# Altium PCB IPG.PcbDoc (part 3 of 10) (continued)
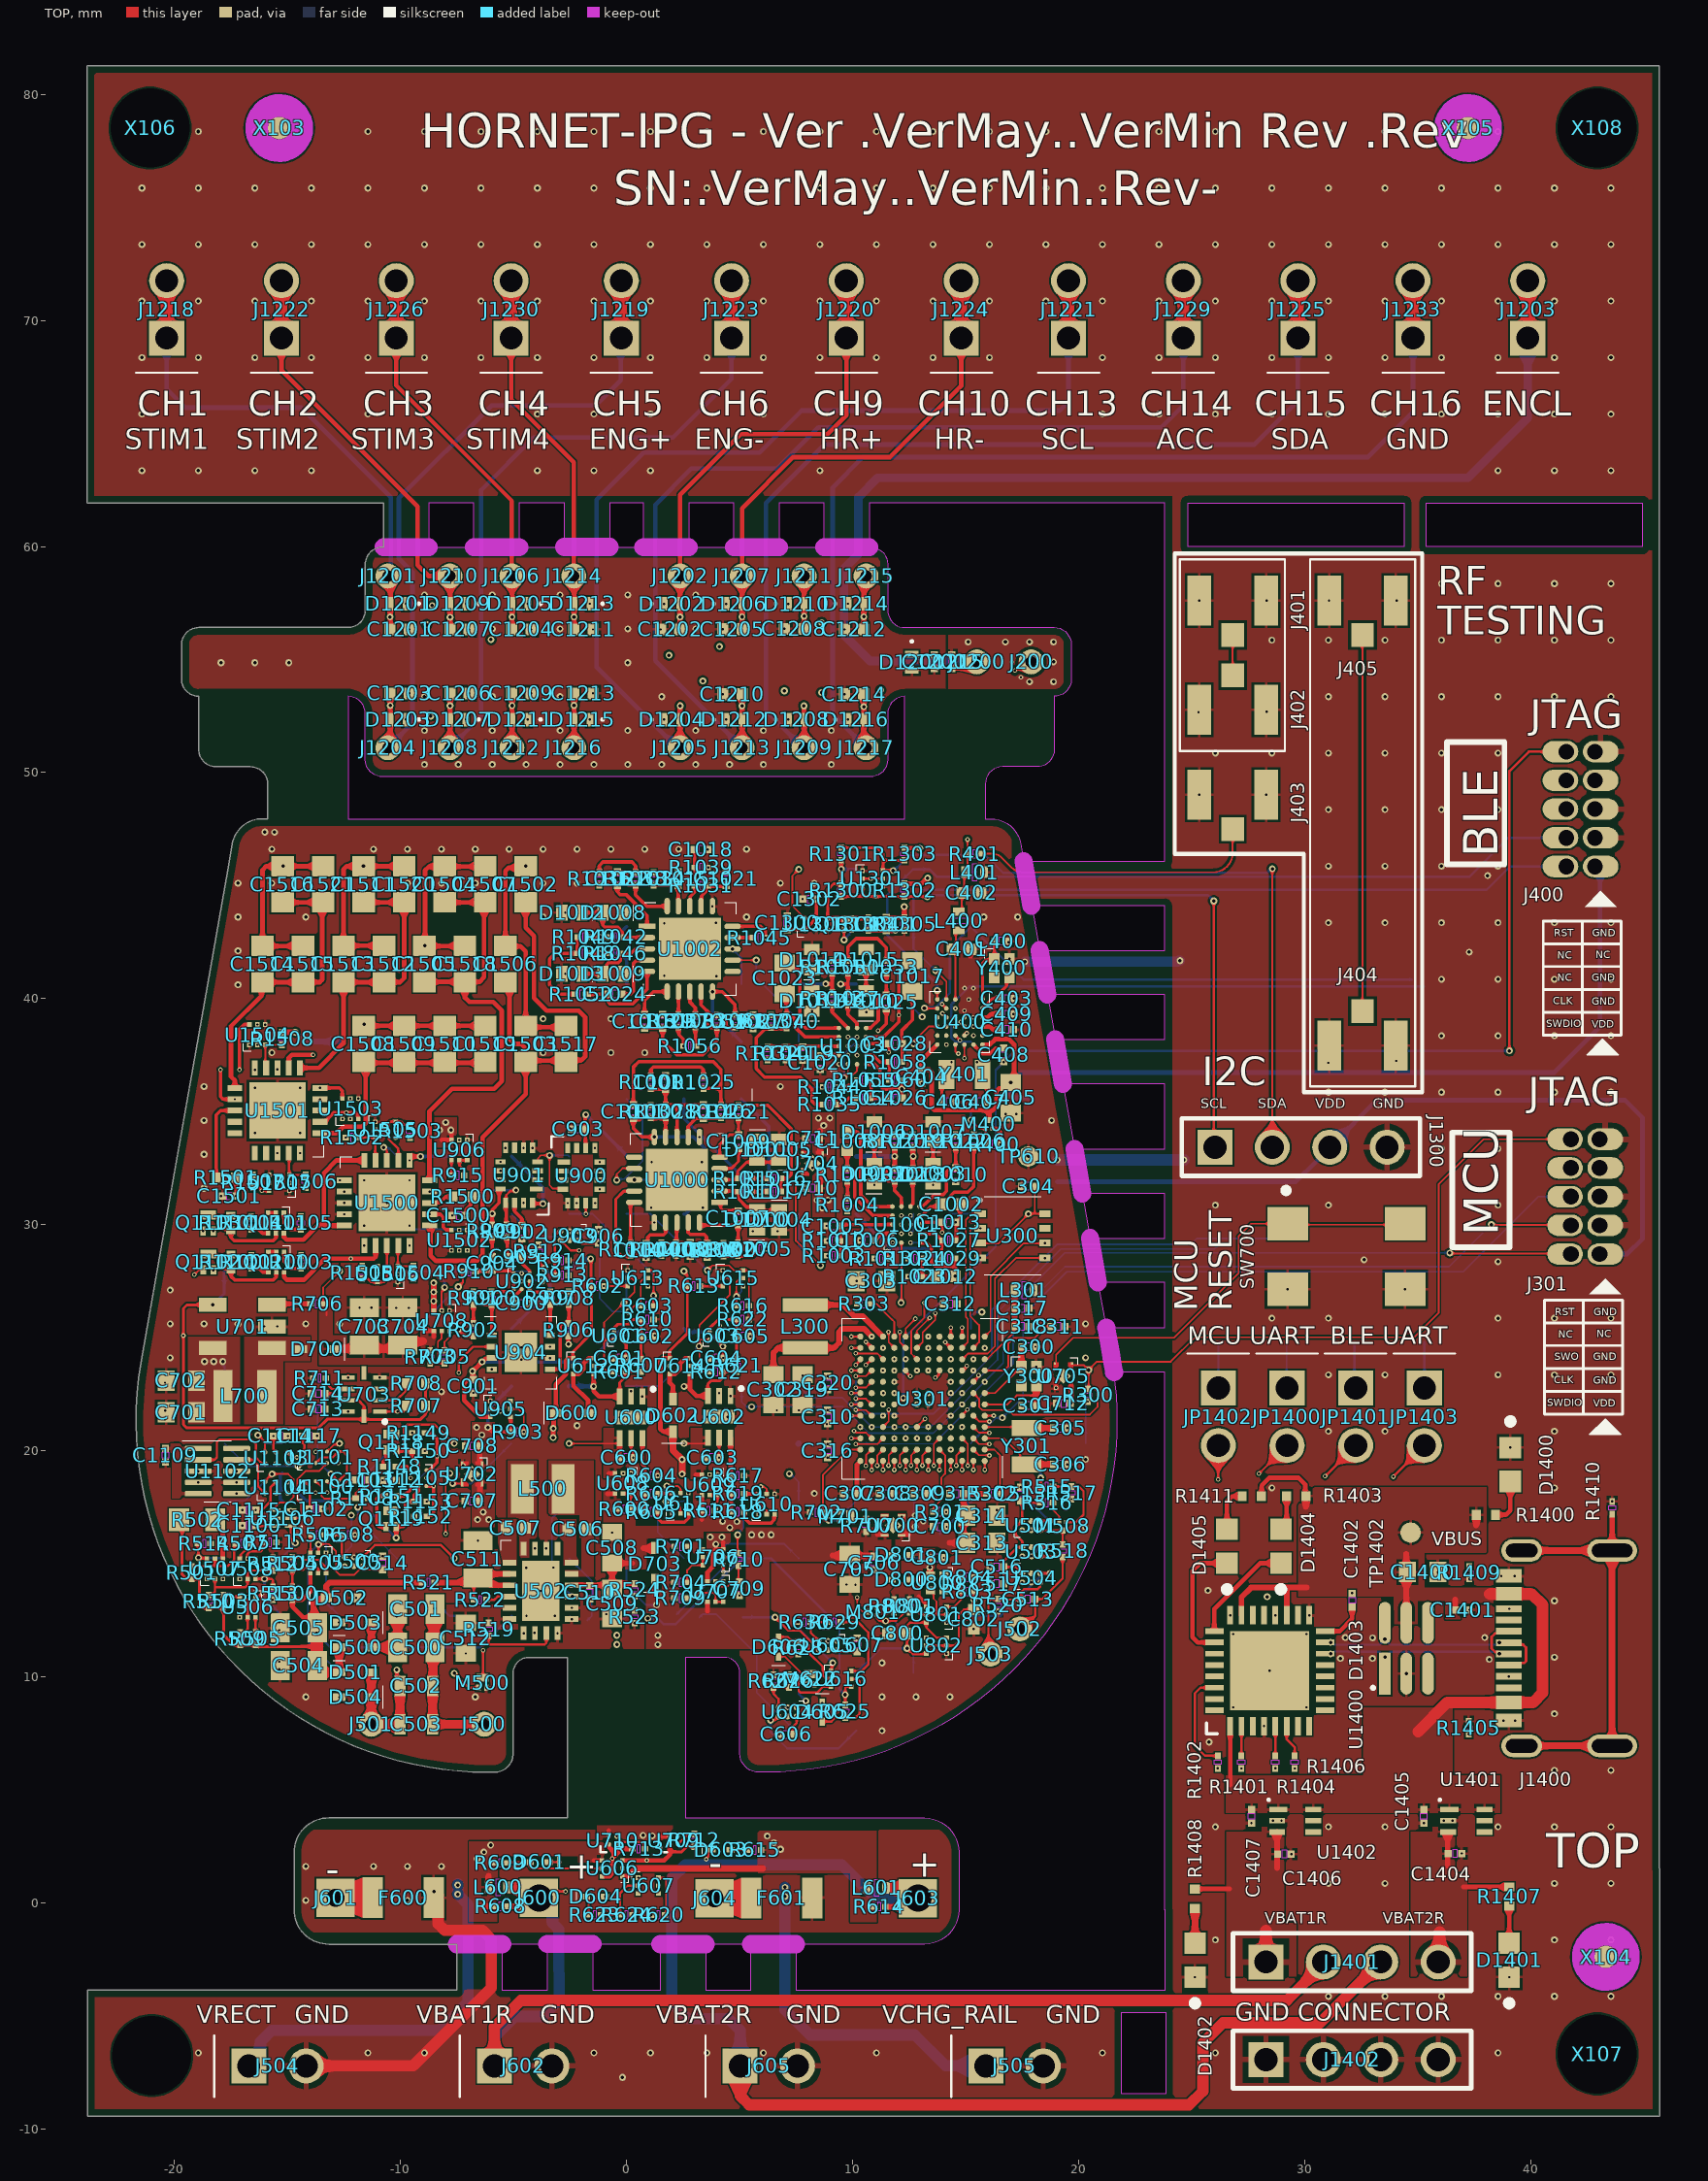
[diagram p0: TOP view]
## Part data (continued)
R800: "Fixed Resistor, Metal Glaze/thick Film, 0.05W, 4700000ohm, 30V, 1% +/-Tol, 200ppm/Cel, Surface Mount, 0201", Case/Package=0201, Manufacturer="Vishay Dale", Manufacturer Series=CRCW0201E3, Max Operating Temperature=155°C, Medical Grade MFR=TBD, Min Operating Temperature=-55°C, Package Shape=Rectangular, Power=50mW, Rated Temperature=70°C, Resistor Type="FIXED RESISTOR", Supplier Part Number=541-CRCW02015M10FNEDCT-ND, Supplier Part Number 1=541-CRCW02014M70FNEDCT-ND, Temperature Coefficient=200ppm/°C, Tolerance=1%, Working Voltage=30V, Category="Chip SMD Resistors", ComponentLink1Description=https://datasheet.ciiva.com:443/pdfs/VipMasterIC/IC/VISH/VISH-S-A0002932828/VISH-S-A0002932828-1.pdf?src-supplier=IHS+Markit, ComponentLink1URL=https://datasheet.ciiva.com:443/pdfs/VipMasterIC/IC/VISH/VISH-S-A0002932828/VISH-S-A0002932828-1.pdf?src-supplier=IHS+Markit, ComponentLink2Description=https://datasheet.ciiva.com/7843/1719906-7843192.pdf?src-supplier=Element14, ComponentLink2URL=https://datasheet.ciiva.com/7843/1719906-7843192.pdf?src-supplier=Element14, ComponentLink3Description=https://datasheet.ciiva.com/7843/1719906-7843193.pdf?src-supplier=Element14, ComponentLink3URL=https://datasheet.ciiva.com/7843/1719906-7843193.pdf?src-supplier=Element14, ComponentLink4Description=https://datasheet.ciiva.com/6073/1719906-6073775.pdf?src-supplier=Farnell, ComponentLink4URL=https://datasheet.ciiva.com/6073/1719906-6073775.pdf?src-supplier=Farnell, JESD-609 Code=e3, Manufacturer Part Number=CRCW02014M70FNED, Medical Grade MFR PN=TBD, Mounting Technology="Surface Mount", Packaging="Tape and Reel", Pins=2, Pricing="1=0,1, 10=0,037, 50=0,0242, 100=0,0204, 500=0,01426, 1000=0,01241, 5000=0,00924 (USD)", Reach SVHC Compliant=Yes, RoHS=Yes, RoHS Compliant=Yes, Stock=56300, Supplier=Digikey, Supplier 1=Digikey, Technology="METAL GLAZE/THICK FILM", Terminal Finish=Nickel, Termination=Wraparound
R900 R907: "Fixed Resistor, Metal Glaze/thick Film, 0.05W, 8200ohm, 30V, 1% +/-Tol, 200ppm/Cel, Surface Mount, 0201", Case/Package=0201, Manufacturer=Vishay, Max Operating Temperature=155°C, Medical Grade MFR=TBD, Min Operating Temperature=-55°C, Package Height=0.23mm, Package Length=0.6mm, Package Shape=Rectangular, Package Style=SMTMeter, Package Width=0.3mm, Power=50mW, Rated Temperature=70°C, Resistor Type="FIXED RESISTOR", Supplier Part Number 1=541-CRCW02018K20FNEDCT-ND, Temperature Coefficient=200ppm/°C, Tolerance=1%, Working Voltage=30V, Category="Chip SMD Resistors", ComponentLink1Description=https://datasheet.ciiva.com:443/pdfs/VipMasterIC/IC/VISH/VISH-S-A0002932828/VISH-S-A0002932828-1.pdf?src-supplier=IHS+Markit, ComponentLink1URL=https://datasheet.ciiva.com:443/pdfs/VipMasterIC/IC/VISH/VISH-S-A0002932828/VISH-S-A0002932828-1.pdf?src-supplier=IHS+Markit, ComponentLink2Description=https://datasheet.ciiva.com/7983/1719906-7983324.pdf?src-supplier=Element14, ComponentLink2URL=https://datasheet.ciiva.com/7983/1719906-7983324.pdf?src-supplier=Element14, ComponentLink3Description=https://datasheet.ciiva.com/7983/1719906-7983323.pdf?src-supplier=Element14, ComponentLink3URL=https://datasheet.ciiva.com/7983/1719906-7983323.pdf?src-supplier=Element14, ComponentLink4Description=https://datasheet.ciiva.com/22692/1719906-22692751.pdf?src-supplier=Element14, ComponentLink4URL=https://datasheet.ciiva.com/22692/1719906-22692751.pdf?src-supplier=Element14, ComponentLink5Description=https://datasheet.ciiva.com/22665/1825492-22665818.pdf?src-supplier=Element14, ComponentLink5URL=https://datasheet.ciiva.com/22665/1825492-22665818.pdf?src-supplier=Element14, ComponentLink6Description=https://datasheet.ciiva.com/2474/crcw0201e3-2474801.pdf?src-supplier=Digikey, ComponentLink6URL=https://datasheet.ciiva.com/2474/crcw0201e3-2474801.pdf?src-supplier=Digikey, ComponentLink7Description=https://datasheet.ciiva.com/2474/crcw0201e3-2474802.pdf?src-supplier=Digikey, ComponentLink7URL=https://datasheet.ciiva.com/2474/crcw0201e3-2474802.pdf?src-supplier=Digikey, ComponentLink8Description=https://datasheet.ciiva.com/2474/crcw0201e3-2474800.pdf?src-supplier=Digikey, ComponentLink8URL=https://datasheet.ciiva.com/2474/crcw0201e3-2474800.pdf?src-supplier=Digikey, ComponentLink9Description=https://datasheet.ciiva.com/22871/70202042-22871422.pdf?src-supplier=Allied+Electronics, ComponentLink9URL=https://datasheet.ciiva.com/22871/70202042-22871422.pdf?src-supplier=Allied+Electronics, ComponentLink10Description=https://datasheet.ciiva.com/3255/crcw0201e3-3255929.pdf?src-supplier=Avnet, ComponentLink10URL=https://datasheet.ciiva.com/3255/crcw0201e3-3255929.pdf?src-supplier=Avnet, Construction=Chip, Manufacturer Part Number=CRCW02018K20FNED, Medical Grade MFR PN=TBD, Mounting Technology="Surface Mount", Pins=2, Reach SVHC Compliant=Yes, Reference Standard=AEC-Q200, RoHS=Yes, RoHS Compliant=Yes, Supplier 1=Digikey, Technology="METAL GLAZE/THICK FILM", Terminal Finish=Nickel, Termination=Wraparound
R901 R908: "Fixed Resistor, Metal Glaze/thick Film, 0.05W, 59000ohm, 30V, 1% +/-Tol, 200ppm/Cel, Surface Mount, 0201", Case/Package=0201, Manufacturer=Vishay, Max Operating Temperature=155°C, Medical Grade MFR=TBD, Min Operating Temperature=-55°C, Package Height=0.23mm, Package Length=0.6mm, Package Shape=Rectangular, Package Style=SMTMeter, Package Width=0.3mm, Power=50mW, Rated Temperature=70°C, Resistor Type="FIXED RESISTOR", Supplier Part Number 1=541-CRCW020159K0FNEDCT-ND, Temperature Coefficient=200ppm/°C, Tolerance=1%, Working Voltage=30V, Category="Chip SMD Resistors", ComponentLink1Description=https://datasheet.ciiva.com:443/pdfs/VipMasterIC/IC/VISH/VISH-S-A0002932828/VISH-S-A0002932828-1.pdf?src-supplier=IHS+Markit, ComponentLink1URL=https://datasheet.ciiva.com:443/pdfs/VipMasterIC/IC/VISH/VISH-S-A0002932828/VISH-S-A0002932828-1.pdf?src-supplier=IHS+Markit, ComponentLink2Description=https://datasheet.ciiva.com/7983/1719906-7983324.pdf?src-supplier=Element14, ComponentLink2URL=https://datasheet.ciiva.com/7983/1719906-7983324.pdf?src-supplier=Element14, ComponentLink3Description=https://datasheet.ciiva.com/7983/1719906-7983323.pdf?src-supplier=Element14, ComponentLink3URL=https://datasheet.ciiva.com/7983/1719906-7983323.pdf?src-supplier=Element14, ComponentLink4Description=https://datasheet.ciiva.com/22692/1719906-22692751.pdf?src-supplier=Element14, ComponentLink4URL=https://datasheet.ciiva.com/22692/1719906-22692751.pdf?src-supplier=Element14, ComponentLink5Description=https://datasheet.ciiva.com/22665/1825492-22665818.pdf?src-supplier=Element14, ComponentLink5URL=https://datasheet.ciiva.com/22665/1825492-22665818.pdf?src-supplier=Element14, ComponentLink6Description=https://datasheet.ciiva.com/2474/crcw0201e3-2474801.pdf?src-supplier=Digikey, ComponentLink6URL=https://datasheet.ciiva.com/2474/crcw0201e3-2474801.pdf?src-supplier=Digikey, ComponentLink7Description=https://datasheet.ciiva.com/2474/crcw0201e3-2474802.pdf?src-supplier=Digikey, ComponentLink7URL=https://datasheet.ciiva.com/2474/crcw0201e3-2474802.pdf?src-supplier=Digikey, ComponentLink8Description=https://datasheet.ciiva.com/2474/crcw0201e3-2474800.pdf?src-supplier=Digikey, ComponentLink8URL=https://datasheet.ciiva.com/2474/crcw0201e3-2474800.pdf?src-supplier=Digikey, ComponentLink9Description=https://datasheet.ciiva.com/22871/70202042-22871422.pdf?src-supplier=Allied+Electronics, ComponentLink9URL=https://datasheet.ciiva.com/22871/70202042-22871422.pdf?src-supplier=Allied+Electronics, ComponentLink10Description=https://datasheet.ciiva.com/3255/crcw0201e3-3255929.pdf?src-supplier=Avnet, ComponentLink10URL=https://datasheet.ciiva.com/3255/crcw0201e3-3255929.pdf?src-supplier=Avnet, Construction=Chip, Manufacturer Part Number=CRCW020159K0FNED, Medical Grade MFR PN=TBD, Mounting Technology="Surface Mount", Pins=2, Reach SVHC Compliant=Yes, Reference Standard=AEC-Q200, RoHS=Yes, RoHS Compliant=Yes, Supplier 1=Digikey, Technology="METAL GLAZE/THICK FILM", Terminal Finish=Nickel, Termination=Wraparound
R910 R912: "Fixed Resistor, Metal Glaze/thick Film, 0.05W, 200000ohm, 30V, 1% +/-Tol, 200ppm/Cel, Surface Mount, 0201", Case/Package=0201, Manufacturer=Vishay, Max Operating Temperature=155°C, Medical Grade MFR=TBD, Min Operating Temperature=-55°C, Package Height=0.23mm, Package Length=0.6mm, Package Shape=Rectangular, Package Style=SMTMeter, Package Width=0.3mm, Power=50mW, Rated Temperature=70°C, Resistor Type="FIXED RESISTOR", Supplier Part Number=541-2945-1-ND, Temperature Coefficient=200ppm/°C, Tolerance=1%, Working Voltage=30V, Category="Chip SMD Resistors", ComponentLink1Description=https://datasheet.ciiva.com:443/pdfs/VipMasterIC/IC/VISH/VISH-S-A0002932828/VISH-S-A0002932828-1.pdf?src-supplier=IHS+Markit, ComponentLink1URL=https://datasheet.ciiva.com:443/pdfs/VipMasterIC/IC/VISH/VISH-S-A0002932828/VISH-S-A0002932828-1.pdf?src-supplier=IHS+Markit, ComponentLink2Description=https://datasheet.ciiva.com/7714/1719906-7714137.pdf?src-supplier=Element14, ComponentLink2URL=https://datasheet.ciiva.com/7714/1719906-7714137.pdf?src-supplier=Element14, ComponentLink3Description=https://datasheet.ciiva.com/7714/1719906-7714138.pdf?src-supplier=Element14, ComponentLink3URL=https://datasheet.ciiva.com/7714/1719906-7714138.pdf?src-supplier=Element14, ComponentLink4Description=https://datasheet.ciiva.com/2577/crcw0201e3-2577332.pdf?src-supplier=Digikey, ComponentLink4URL=https://datasheet.ciiva.com/2577/crcw0201e3-2577332.pdf?src-supplier=Digikey, ComponentLink5Description=https://datasheet.ciiva.com/8961/crcw0201e3-8961381.pdf?src-supplier=Avnet, ComponentLink5URL=https://datasheet.ciiva.com/8961/crcw0201e3-8961381.pdf?src-supplier=Avnet, ComponentLink6Description=https://datasheet.ciiva.com/22675/1700795-22675066.pdf?src-supplier=Element14, ComponentLink6URL=https://datasheet.ciiva.com/22675/1700795-22675066.pdf?src-supplier=Element14, ComponentLink7Description=https://datasheet.ciiva.com/22692/1719906-22692766.pdf?src-supplier=Element14, ComponentLink7URL=https://datasheet.ciiva.com/22692/1719906-22692766.pdf?src-supplier=Element14, Construction=Chip, JESD-609 Code=e3, Manufacturer Part Number=CRCW0201200KFNED, Medical Grade MFR PN=TBD, Mounting Technology="Surface Mount", Packaging="Tape and Reel", Pins=2, Pricing="1=0,1, 10=0,037, 50=0,0242, 100=0,0204, 500=0,01426, 1000=0,01241, 5000=0,00924 (USD)", Reach SVHC Compliant=Yes, Reference Standard=AEC-Q200, RoHS=Yes, RoHS Compliant=Yes, Stock=43796, Supplier=Digikey, Supplier 1=Digikey, Supplier Part Number 1=541-2945-1-ND, Technology="METAL GLAZE/THICK FILM", Terminal Finish=Nickel, Termination=Wraparound
R913: "Fixed Resistor, Metal Glaze/thick Film, 0.05W, 120000ohm, 30V, 1% +/-Tol, 200ppm/Cel, Surface Mount, 0201", Case/Package=0201, Manufacturer="Vishay Dale", Max Operating Temperature=155°C, Medical Grade MFR=TBD, Min Operating Temperature=-55°C, Package Shape=Rectangular, Power=50mW, Rated Temperature=70°C, Resistor Type="FIXED RESISTOR", Supplier Part Number 1=541-CRCW0201120KFNEDDKR-ND, Temperature Coefficient=200ppm/°C, Tolerance=1%, Working Voltage=30V, Category="Chip SMD Resistors", ComponentLink1Description=https://datasheet.ciiva.com:443/pdfs/VipMasterIC/IC/VISH/VISH-S-A0002932828/VISH-S-A0002932828-1.pdf?src-supplier=IHS+Markit, ComponentLink1URL=https://datasheet.ciiva.com:443/pdfs/VipMasterIC/IC/VISH/VISH-S-A0002932828/VISH-S-A0002932828-1.pdf?src-supplier=IHS+Markit, ComponentLink2Description=https://datasheet.ciiva.com/7800/1719906-7800943.pdf?src-supplier=Element14, ComponentLink2URL=https://datasheet.ciiva.com/7800/1719906-7800943.pdf?src-supplier=Element14, ComponentLink3Description=https://datasheet.ciiva.com/22682/1700795-22682622.pdf?src-supplier=Element14, ComponentLink3URL=https://datasheet.ciiva.com/22682/1700795-22682622.pdf?src-supplier=Element14, ComponentLink4Description=https://datasheet.ciiva.com/22702/1719906-22702669.pdf?src-supplier=Element14, ComponentLink4URL=https://datasheet.ciiva.com/22702/1719906-22702669.pdf?src-supplier=Element14, ComponentLink5Description=https://datasheet.ciiva.com/29926/crcw0201e3-29926006.pdf?src-supplier=Avnet, ComponentLink5URL=https://datasheet.ciiva.com/29926/crcw0201e3-29926006.pdf?src-supplier=Avnet, Manufacturer Part Number=CRCW0201120KFNED, Medical Grade MFR PN=TBD, Mounting Technology="Surface Mount", Pins=2, Reach SVHC Compliant=Yes, RoHS=Yes, RoHS Compliant=Yes, Supplier 1=Digikey, Technology="METAL GLAZE/THICK FILM", Terminal Finish=Nickel, Termination=Wraparound
R1001 R1026 R1033 R1057: "Fixed Resistor, Metal Glaze/thick Film, 0.05W, 150000ohm, 30V, 1% +/-Tol, 200ppm/Cel, Surface Mount, 0201", Case/Package=0201, Manufacturer=Vishay, Max Operating Temperature=155°C, Medical Grade MFR=Mini-Systems, Medical Grade MFR PN=MWA96SM-1503F-NS62TR, Min Operating Temperature=-55°C, Package Height=0.23mm, Package Length=0.6mm, Package Shape=Rectangular, Package Style=SMTMeter, Package Width=0.3mm, Power=50mW, Rated Temperature=70°C, Resistor Type="FIXED RESISTOR", Supplier Part Number=541-CRCW0201150KFNEDCT-ND, Supplier Part Number 1=541-CRCW0201150KFNEDDKR-ND, Temperature Coefficient=200ppm/°C, Tolerance=1%, Working Voltage=30V, Category="Chip SMD Resistors", ComponentLink1Description=https://datasheet.ciiva.com:443/pdfs/VipMasterIC/IC/VISH/VISH-S-A0002932828/VISH-S-A0002932828-1.pdf?src-supplier=IHS+Markit, ComponentLink1URL=https://datasheet.ciiva.com:443/pdfs/VipMasterIC/IC/VISH/VISH-S-A0002932828/VISH-S-A0002932828-1.pdf?src-supplier=IHS+Markit, ComponentLink2Description=https://datasheet.ciiva.com/7673/1719906-7673181.pdf?src-supplier=Element14, ComponentLink2URL=https://datasheet.ciiva.com/7673/1719906-7673181.pdf?src-supplier=Element14, ComponentLink3Description=https://datasheet.ciiva.com/7673/1719906-7673182.pdf?src-supplier=Element14, ComponentLink3URL=https://datasheet.ciiva.com/7673/1719906-7673182.pdf?src-supplier=Element14, ComponentLink4Description=https://datasheet.ciiva.com/2577/crcw0201e3-2577323.pdf?src-supplier=Digikey, ComponentLink4URL=https://datasheet.ciiva.com/2577/crcw0201e3-2577323.pdf?src-supplier=Digikey, ComponentLink5Description=https://datasheet.ciiva.com/8968/crcw0201e3-8968685.pdf?src-supplier=Avnet, ComponentLink5URL=https://datasheet.ciiva.com/8968/crcw0201e3-8968685.pdf?src-supplier=Avnet, ComponentLink6Description=https://datasheet.ciiva.com/22692/1719906-22692733.pdf?src-supplier=Element14, ComponentLink6URL=https://datasheet.ciiva.com/22692/1719906-22692733.pdf?src-supplier=Element14, Construction=Chip, JESD-609 Code=e3, Manufacturer Part Number=CRCW0201150KFNED, Mounting Technology="Surface Mount", Packaging="Tape and Reel", Pins=2, Pricing="1=0,1, 10=0,037, 50=0,0242, 100=0,0204, 500=0,01426, 1000=0,01241, 5000=0,00924 (USD)", Reach SVHC Compliant=Yes, Reference Standard=AEC-Q200, RoHS=Yes, RoHS Compliant=Yes, Stock=35009, Supplier=Digikey, Supplier 1=Digikey, Technology="METAL GLAZE/THICK FILM", Terminal Finish=Nickel, Termination=Wraparound
R1005 R1006 R1036: "Fixed Resistor, Metal Glaze/thick Film, 0.05W, 1400000ohm, 30V, 1% +/-Tol, 200ppm/Cel, Surface Mount, 0201", Case/Package=0201, Manufacturer="Vishay Draloric", Max Operating Temperature=155°C, Medical Grade MFR=Mini-Systems, Medical Grade MFR PN=MWA96SM-1404F-NS62TR, Min Operating Temperature=-55°C, Package Shape=Rectangular, Power=50mW, Rated Temperature=70°C, Resistor Type="FIXED RESISTOR", Supplier Part Number=541-CRCW02011M40FNEDCT-ND, Temperature Coefficient=200ppm/°C, Tolerance=1%, Working Voltage=30V, Category="Chip SMD Resistors", ComponentLink1Description=https://datasheet.ciiva.com:443/pdfs/VipMasterIC/IC/VISH/VISH-S-A0002932828/VISH-S-A0002932828-1.pdf?src-supplier=IHS+Markit, ComponentLink1URL=https://datasheet.ciiva.com:443/pdfs/VipMasterIC/IC/VISH/VISH-S-A0002932828/VISH-S-A0002932828-1.pdf?src-supplier=IHS+Markit, ComponentLink2Description=http://www.farnell.com/datasheets/2111203.pdf?src-supplier=Farnell, ComponentLink2URL=http://www.farnell.com/datasheets/2111203.pdf?src-supplier=Farnell, ComponentLink3Description=http://www.farnell.com/datasheets/2238160.pdf?src-supplier=Farnell, ComponentLink3URL=http://www.farnell.com/datasheets/2238160.pdf?src-supplier=Farnell, ComponentLink4Description=http://www.farnell.com/datasheets/2111203.pdf?src-supplier=Element14, ComponentLink4URL=http://www.farnell.com/datasheets/2111203.pdf?src-supplier=Element14, ComponentLink5Description=http://www.farnell.com/datasheets/2045973.pdf?src-supplier=Element14, ComponentLink5URL=http://www.farnell.com/datasheets/2045973.pdf?src-supplier=Element14, ComponentLink6Description=http://www.farnell.com/datasheets/1719906.pdf?src-supplier=Element14, ComponentLink6URL=http://www.farnell.com/datasheets/1719906.pdf?src-supplier=Element14, ComponentLink7Description=http://www.vishay.com/docs/20052/crcw0201e3.pdf?src-supplier=Digikey, ComponentLink7URL=http://www.vishay.com/docs/20052/crcw0201e3.pdf?src-supplier=Digikey, JESD-609 Code=e3, Manufacturer Part Number=CRCW02011M40FNED, Mounting Technology="Surface Mount", Packaging="Tape and Reel", Pins=2, Pricing="1=0,1, 10=0,037, 50=0,0242, 100=0,0204, 500=0,01426, 1000=0,01241, 5000=0,00924 (USD)", Reach SVHC Compliant=Yes, RoHS=Yes, RoHS Compliant=Yes, Stock=24065, Supplier=Digikey, Supplier 1=Digikey, Supplier Part Number 1=541-CRCW02011M40FNEDCT-ND, Technology="METAL GLAZE/THICK FILM", Terminal Finish=Nickel, Termination=Wraparound
R1011 R1012 R1015 R1018 R1042 R1043 R1046 R1047: "Fixed Resistor, Metal Glaze/thick Film, 0.05W, 180000ohm, 30V, 1% +/-Tol, 200ppm/Cel, Surface Mount, 0201", Case/Package=0201, Manufacturer=Vishay, Max Operating Temperature=155°C, Medical Grade MFR=Mini-Systems, Medical Grade MFR PN=MWA96SM-1803F-NS62TR, Min Operating Temperature=-55°C, Package Height=0.23mm, Package Length=0.6mm, Package Shape=Rectangular, Package Style=SMTMeter, Package Width=0.3mm, Power=50mW, Rated Temperature=70°C, Resistor Type="FIXED RESISTOR", Supplier Part Number=541-CRCW0201180KFNEDCT-ND, Temperature Coefficient=200ppm/°C, Tolerance=1%, Working Voltage=30V, Category="Chip SMD Resistors", ComponentLink1Description=https://datasheet.ciiva.com:443/pdfs/VipMasterIC/IC/VISH/VISH-S-A0002932828/VISH-S-A0002932828-1.pdf?src-supplier=IHS+Markit, ComponentLink1URL=https://datasheet.ciiva.com:443/pdfs/VipMasterIC/IC/VISH/VISH-S-A0002932828/VISH-S-A0002932828-1.pdf?src-supplier=IHS+Markit, ComponentLink2Description=https://datasheet.ciiva.com/7714/1719906-7714127.pdf?src-supplier=Element14, ComponentLink2URL=https://datasheet.ciiva.com/7714/1719906-7714127.pdf?src-supplier=Element14, ComponentLink3Description=https://datasheet.ciiva.com/22665/1700795-22665798.pdf?src-supplier=Element14, ComponentLink3URL=https://datasheet.ciiva.com/22665/1700795-22665798.pdf?src-supplier=Element14, ComponentLink4Description=https://datasheet.ciiva.com/22692/1719906-22692745.pdf?src-supplier=Element14, ComponentLink4URL=https://datasheet.ciiva.com/22692/1719906-22692745.pdf?src-supplier=Element14, Construction=Chip, JESD-609 Code=e3, Manufacturer Part Number=CRCW0201180KFNED, Mounting Technology="Surface Mount", Packaging="Tape and Reel", Pins=2, Pricing="1=0,1, 10=0,037, 50=0,0242, 100=0,0204, 500=0,01426, 1000=0,01241, 5000=0,00924 (USD)", Reach SVHC Compliant=Yes, Reference Standard=AEC-Q200, RoHS=Yes, RoHS Compliant=Yes, Stock=52185, Supplier=Digikey, Supplier 1=Digikey, Supplier Part Number 1=541-CRCW0201180KFNEDCT-ND, Technology="METAL GLAZE/THICK FILM", Terminal Finish=Nickel, Termination=Wraparound
R1021 R1022 R1052 R1053: "Fixed Resistor, Metal Glaze/thick Film, 0.05W, 360000ohm, 30V, 1% +/-Tol, 200ppm/Cel, Surface Mount, 0201", Case/Package=0201, Manufacturer=Vishay, Max Operating Temperature=155°C, Medical Grade MFR=TBD, Min Operating Temperature=-55°C, Package Height=0.23mm, Package Length=0.6mm, Package Shape=Rectangular, Package Style=SMTMeter, Package Width=0.3mm, Power=50mW, Rated Temperature=70°C, Resistor Type="FIXED RESISTOR", Supplier Part Number=541-CRCW0201360KFNEDCT-ND, Temperature Coefficient=200ppm/°C, Tolerance=1%, Working Voltage=30V, Category="Chip SMD Resistors", ComponentLink1Description=https://datasheet.ciiva.com:443/pdfs/VipMasterIC/IC/VISH/VISH-S-A0002932828/VISH-S-A0002932828-1.pdf?src-supplier=IHS+Markit, ComponentLink1URL=https://datasheet.ciiva.com:443/pdfs/VipMasterIC/IC/VISH/VISH-S-A0002932828/VISH-S-A0002932828-1.pdf?src-supplier=IHS+Markit, ComponentLink2Description=https://datasheet.ciiva.com/2577/crcw0201e3-2577346.pdf?src-supplier=Digikey, ComponentLink2URL=https://datasheet.ciiva.com/2577/crcw0201e3-2577346.pdf?src-supplier=Digikey, ComponentLink3Description=https://datasheet.ciiva.com/8943/crcw0201e3-8943180.pdf?src-supplier=Avnet, ComponentLink3URL=https://datasheet.ciiva.com/8943/crcw0201e3-8943180.pdf?src-supplier=Avnet, ComponentLink4Description=https://datasheet.ciiva.com/22674/1700795-22674747.pdf?src-supplier=Element14, ComponentLink4URL=https://datasheet.ciiva.com/22674/1700795-22674747.pdf?src-supplier=Element14, ComponentLink5Description=https://datasheet.ciiva.com/22706/1719906-22706189.pdf?src-supplier=Element14, ComponentLink5URL=https://datasheet.ciiva.com/22706/1719906-22706189.pdf?src-supplier=Element14, ComponentLink6Description=https://datasheet.ciiva.com/7673/1719906-7673964.pdf?src-supplier=Element14, ComponentLink6URL=https://datasheet.ciiva.com/7673/1719906-7673964.pdf?src-supplier=Element14, ComponentLink7Description=https://datasheet.ciiva.com/7673/1719906-7673965.pdf?src-supplier=Element14, ComponentLink7URL=https://datasheet.ciiva.com/7673/1719906-7673965.pdf?src-supplier=Element14, Construction=Chip, JESD-609 Code=e3, Manufacturer Part Number=CRCW0201360KFNED, Medical Grade MFR PN=TBD, Mounting Technology="Surface Mount", Packaging="Tape and Reel", Pins=2, Pricing="1=0,1, 10=0,037, 50=0,0242, 100=0,0204, 500=0,01426, 1000=0,01241, 5000=0,00924 (USD)", Reach SVHC Compliant=Yes, Reference Standard=AEC-Q200, RoHS=Yes, RoHS Compliant=Yes, Stock=14607, Supplier=Digikey, Supplier 1=Digikey, Supplier Part Number 1=541-CRCW0201360KFNEDCT-ND, Technology="METAL GLAZE/THICK FILM", Terminal Finish=Nickel, Termination=Wraparound
R1023: "Fixed Resistor, Metal Glaze/thick Film, 0.05W, 2200000ohm, 30V, 1% +/-Tol, 200ppm/Cel, Surface Mount, 0201", Case/Package=0201, Manufacturer="Vishay Draloric", Max Operating Temperature=155°C, Medical Grade MFR=TBD, Min Operating Temperature=-55°C, Package Shape=Rectangular, Power=50mW, Rated Temperature=70°C, Resistor Type="FIXED RESISTOR", Supplier Part Number=541-CRCW02012M20FNEDCT-ND, Temperature Coefficient=200ppm/°C, Tolerance=1%, Working Voltage=30V, Category="Chip SMD Resistors", ComponentLink1Description=https://datasheet.ciiva.com:443/pdfs/VipMasterIC/IC/VISH/VISH-S-A0002932828/VISH-S-A0002932828-1.pdf?src-supplier=IHS+Markit, ComponentLink1URL=https://datasheet.ciiva.com:443/pdfs/VipMasterIC/IC/VISH/VISH-S-A0002932828/VISH-S-A0002932828-1.pdf?src-supplier=IHS+Markit, ComponentLink2Description=https://datasheet.ciiva.com/7800/1719906-7800943.pdf?src-supplier=Element14, ComponentLink2URL=https://datasheet.ciiva.com/7800/1719906-7800943.pdf?src-supplier=Element14, ComponentLink3Description=https://datasheet.ciiva.com/22682/1700795-22682622.pdf?src-supplier=Element14, ComponentLink3URL=https://datasheet.ciiva.com/22682/1700795-22682622.pdf?src-supplier=Element14, ComponentLink4Description=https://datasheet.ciiva.com/22702/1719906-22702669.pdf?src-supplier=Element14, ComponentLink4URL=https://datasheet.ciiva.com/22702/1719906-22702669.pdf?src-supplier=Element14, ComponentLink5Description=https://datasheet.ciiva.com/29926/crcw0201e3-29926006.pdf?src-supplier=Avnet, ComponentLink5URL=https://datasheet.ciiva.com/29926/crcw0201e3-29926006.pdf?src-supplier=Avnet, JESD-609 Code=e3, Manufacturer Part Number=CRCW02012M20FNED, Medical Grade MFR PN=TBD, Mounting Technology="Surface Mount", Packaging="Tape and Reel", Pins=2, Pricing="1=0,1, 10=0,037, 50=0,0242, 100=0,0204, 500=0,01426, 1000=0,01241, 5000=0,00924 (USD)", Reach SVHC Compliant=Yes, RoHS=Yes, RoHS Compliant=Yes, Stock=17414, Supplier=Digikey, Supplier 1=Digikey, Supplier Part Number 1=541-CRCW02012M20FNEDCT-ND, Technology="METAL GLAZE/THICK FILM", Terminal Finish=Nickel, Termination=Wraparound
R1029 R1060: "Fixed Resistor, Metal Glaze/thick Film, 0.05W, 249000ohm, 30V, 1% +/-Tol, 200ppm/Cel, Surface Mount, 0201", Case/Package=0201, Manufacturer=Vishay, Max Operating Temperature=155°C, Medical Grade MFR=Mini-Systems, Medical Grade MFR PN=MWA96SM-2493F-NS62TR, Min Operating Temperature=-55°C, Package Height=0.23mm, Package Length=0.6mm, Package Shape=Rectangular, Package Style=SMTMeter, Package Width=0.3mm, Power=50mW, Rated Temperature=70°C, Resistor Type="FIXED RESISTOR", Supplier Part Number=541-CRCW0201249KFNEDCT-ND, Temperature Coefficient=200ppm/°C, Tolerance=1%, Working Voltage=30V, Category="Chip SMD Resistors", ComponentLink1Description=https://datasheet.ciiva.com:443/pdfs/VipMasterIC/IC/VISH/VISH-S-A0002932828/VISH-S-A0002932828-1.pdf?src-supplier=IHS+Markit, ComponentLink1URL=https://datasheet.ciiva.com:443/pdfs/VipMasterIC/IC/VISH/VISH-S-A0002932828/VISH-S-A0002932828-1.pdf?src-supplier=IHS+Markit, ComponentLink2Description=https://datasheet.ciiva.com/8953/crcw0201e3-8953881.pdf?src-supplier=Avnet, ComponentLink2URL=https://datasheet.ciiva.com/8953/crcw0201e3-8953881.pdf?src-supplier=Avnet, Construction=Chip, JESD-609 Code=e3, Manufacturer Part Number=CRCW0201249KFNED, Mounting Technology="Surface Mount", Packaging="Tape and Reel", Pins=2, Pricing="1=0,1, 10=0,037, 50=0,0242, 100=0,0204, 500=0,01426, 1000=0,01241, 5000=0,00924 (USD)", Reach SVHC Compliant=Yes, Reference Standard=AEC-Q200, RoHS=Yes, RoHS Compliant=Yes, Stock=82297, Supplier=Digikey, Supplier 1=Digikey, Supplier Part Number 1=541-CRCW0201249KFNEDCT-ND, Technology="METAL GLAZE/THICK FILM", Terminal Finish=Nickel, Termination=Wraparound
R1030 R1061: "Fixed Resistor, Metal Glaze/thick Film, 0.05W, 910000ohm, 30V, 1% +/-Tol, 200ppm/Cel, Surface Mount, 0201", Case/Package=0201, Manufacturer="Vishay Draloric", Max Operating Temperature=155°C, Medical Grade MFR=TBD, Min Operating Temperature=-55°C, Package Shape=Rectangular, Power=50mW, Rated Temperature=70°C, Resistor Type="FIXED RESISTOR", Supplier Part Number=541-CRCW02016M80FNEDCT-ND, Supplier Part Number 1=541-CRCW0201910KFNEDDKR-ND, Temperature Coefficient=200ppm/°C, Tolerance=1%, Working Voltage=30V, Category="Chip SMD Resistors", ComponentLink1Description=https://datasheet.ciiva.com:443/pdfs/VipMasterIC/IC/VISH/VISH-S-A0002932828/VISH-S-A0002932828-1.pdf?src-supplier=IHS+Markit, ComponentLink1URL=https://datasheet.ciiva.com:443/pdfs/VipMasterIC/IC/VISH/VISH-S-A0002932828/VISH-S-A0002932828-1.pdf?src-supplier=IHS+Markit, ComponentLink2Description=https://datasheet.ciiva.com/22682/1700795-22682637.pdf?src-supplier=Element14, ComponentLink2URL=https://datasheet.ciiva.com/22682/1700795-22682637.pdf?src-supplier=Element14, JESD-609 Code=e3, Manufacturer Part Number=CRCW0201910KFNED, Medical Grade MFR PN=TBD, Mounting Technology="Surface Mount", Packaging="Tape and Reel", Pins=2, Pricing="1=0,1, 10=0,037, 50=0,0242, 100=0,0204, 500=0,01426, 1000=0,01241, 5000=0,00924 (USD)", Reach SVHC Compliant=Yes, RoHS=Yes, RoHS Compliant=Yes, Stock=8955, Supplier=Digikey, Supplier 1=Digikey, Technology="METAL GLAZE/THICK FILM", Terminal Finish=Nickel, Termination=Wraparound
R1054 R1055: "Resistor, 1.8M, 1%, 0201", Manufacturer=Yageo, Medical Grade MFR=TBD, Rating=25V, Supplier Part Number 1=13-RC0201FR-071M8LCT-ND, Category=Resistor, Length (mm)=0.6, Manufacturer Part Number=RC0201FR-071M8L, Medical Grade MFR PN=TBD, PCB Footprint=R0201_C, Precision=1%, Supplier 1=Digikey, Supplier 2=Digikey, Supplier 3=Digikey, Supplier 4=Mouser, Supplier Part Number 2=13-RC0201FR-071M8LDKR-ND, Supplier Part Number 3=13-RC0201FR-071M8LTR-ND, Supplier Part Number 4=603-RC0201FR-071M8L, Thickness (mm)=0.23, Width (mm)=0.3
R1102 R1104 R1401 R1402 R1404 R1406: "Fixed Resistor, Metal Glaze/thick Film, 0.05W, 1000ohm, 30V, 1% +/-Tol, 200ppm/Cel, Surface Mount, 0201", Case/Package=0201, Manufacturer=Vishay, Max Operating Temperature=155°C, Medical Grade MFR=Mini-Systems, Medical Grade MFR PN=MWA96SM-1001F-NS62TR, Min Operating Temperature=-55°C, Package Height=0.23mm, Package Length=0.6mm, Package Shape=Rectangular, Package Style=SMTMeter, Package Width=0.3mm, Power=50mW, Rated Temperature=70°C, Resistor Type="FIXED RESISTOR", Supplier Part Number=541-1.00KABCT-ND, Temperature Coefficient=200ppm/°C, Tolerance=1%, Working Voltage=30V, Category="Chip SMD Resistors", ComponentLink1Description=https://datasheet.ciiva.com:443/pdfs/VipMasterIC/IC/VISH/VISH-S-A0002932828/VISH-S-A0002932828-1.pdf?src-supplier=IHS+Markit, ComponentLink1URL=https://datasheet.ciiva.com:443/pdfs/VipMasterIC/IC/VISH/VISH-S-A0002932828/VISH-S-A0002932828-1.pdf?src-supplier=IHS+Markit, ComponentLink2Description=https://datasheet.ciiva.com/7983/1719906-7983324.pdf?src-supplier=Element14, ComponentLink2URL=https://datasheet.ciiva.com/7983/1719906-7983324.pdf?src-supplier=Element14, ComponentLink3Description=https://datasheet.ciiva.com/7983/1719906-7983323.pdf?src-supplier=Element14, ComponentLink3URL=https://datasheet.ciiva.com/7983/1719906-7983323.pdf?src-supplier=Element14, ComponentLink4Description=https://datasheet.ciiva.com/22692/1719906-22692751.pdf?src-supplier=Element14, ComponentLink4URL=https://datasheet.ciiva.com/22692/1719906-22692751.pdf?src-supplier=Element14, ComponentLink5Description=https://datasheet.ciiva.com/22665/1825492-22665818.pdf?src-supplier=Element14, ComponentLink5URL=https://datasheet.ciiva.com/22665/1825492-22665818.pdf?src-supplier=Element14, ComponentLink6Description=https://datasheet.ciiva.com/2474/crcw0201e3-2474801.pdf?src-supplier=Digikey, ComponentLink6URL=https://datasheet.ciiva.com/2474/crcw0201e3-2474801.pdf?src-supplier=Digikey, ComponentLink7Description=https://datasheet.ciiva.com/2474/crcw0201e3-2474802.pdf?src-supplier=Digikey, ComponentLink7URL=https://datasheet.ciiva.com/2474/crcw0201e3-2474802.pdf?src-supplier=Digikey, ComponentLink8Description=https://datasheet.ciiva.com/2474/crcw0201e3-2474800.pdf?src-supplier=Digikey, ComponentLink8URL=https://datasheet.ciiva.com/2474/crcw0201e3-2474800.pdf?src-supplier=Digikey, ComponentLink9Description=https://datasheet.ciiva.com/22871/70202042-22871422.pdf?src-supplier=Allied+Electronics, ComponentLink9URL=https://datasheet.ciiva.com/22871/70202042-22871422.pdf?src-supplier=Allied+Electronics, ComponentLink10Description=https://datasheet.ciiva.com/3255/crcw0201e3-3255929.pdf?src-supplier=Avnet, ComponentLink10URL=https://datasheet.ciiva.com/3255/crcw0201e3-3255929.pdf?src-supplier=Avnet, Construction=Chip, JESD-609 Code=e3, Manufacturer Part Number=CRCW02011K00FNED, Mounting Technology="Surface Mount", Packaging="Tape and Reel", Pins=2, Pricing="1=0,1, 10=0,037, 50=0,0242, 100=0,0204, 500=0,01426, 1000=0,01241, 5000=0,00924 (USD)", Reach SVHC Compliant=Yes, Reference Standard=AEC-Q200, RoHS=Yes, RoHS Compliant=Yes, Stock=303224, Supplier=Digikey, Supplier 1="Arrow Electronics", Supplier Part Number 1=CRCW02011K00FNED, Technology="METAL GLAZE/THICK FILM", Terminal Finish=Nickel, Termination=Wraparound
R1103 R1105: "Fixed Resistor, Metal Glaze/thick Film, 0.05W, 150ohm, 30V, 1% +/-Tol, 200ppm/Cel, Surface Mount, 0201", Case/Package=0201, Manufacturer=Vishay, Max Operating Temperature=155°C, Medical Grade MFR=Mini-Systems, Medical Grade MFR PN=MWA96SM-1500F-NS62TR, Min Operating Temperature=-55°C, Package Height=0.23mm, Package Length=0.6mm, Package Shape=Rectangular, Package Style=SMTMeter, Package Width=0.3mm, Power=50mW, Rated Temperature=70°C, Resistor Type="FIXED RESISTOR", Supplier Part Number=541-CRCW0201150RFNEDCT-ND, Temperature Coefficient=200ppm/°C, Tolerance=1%, Working Voltage=30V, Category="Chip SMD Resistors", ComponentLink1Description=https://datasheet.ciiva.com:443/pdfs/VipMasterIC/IC/VISH/VISH-S-A0002932828/VISH-S-A0002932828-1.pdf?src-supplier=IHS+Markit, ComponentLink1URL=https://datasheet.ciiva.com:443/pdfs/VipMasterIC/IC/VISH/VISH-S-A0002932828/VISH-S-A0002932828-1.pdf?src-supplier=IHS+Markit, ComponentLink2Description=https://datasheet.ciiva.com/2577/crcw0201e3-2577126.pdf?src-supplier=Digikey, ComponentLink2URL=https://datasheet.ciiva.com/2577/crcw0201e3-2577126.pdf?src-supplier=Digikey, ComponentLink3Description=https://datasheet.ciiva.com/8969/crcw0201e3-8969797.pdf?src-supplier=Avnet, ComponentLink3URL=https://datasheet.ciiva.com/8969/crcw0201e3-8969797.pdf?src-supplier=Avnet, ComponentLink4Description=https://datasheet.ciiva.com/7777/1719906-7777159.pdf?src-supplier=Element14, ComponentLink4URL=https://datasheet.ciiva.com/7777/1719906-7777159.pdf?src-supplier=Element14, ComponentLink5Description=https://datasheet.ciiva.com/7777/1719906-7777160.pdf?src-supplier=Element14, ComponentLink5URL=https://datasheet.ciiva.com/7777/1719906-7777160.pdf?src-supplier=Element14, Construction=Chip, JESD-609 Code=e3, Manufacturer Part Number=CRCW0201150RFNED, Mounting Technology="Surface Mount", Packaging="Tape and Reel", Pins=2, Pricing="1=0,1, 10=0,037, 50=0,0242, 100=0,0204, 500=0,01426, 1000=0,01241, 5000=0,00924 (USD)", Reach SVHC Compliant=Yes, Reference Standard=AEC-Q200, RoHS=Yes, RoHS Compliant=Yes, Stock=19000, Supplier=Digikey, Supplier 1=Digikey, Supplier Part Number 1=541-CRCW0201150RFNEDCT-ND, Technology="METAL GLAZE/THICK FILM", Terminal Finish=Nickel, Termination=Wraparound
R1150 R1153: "Fixed Resistor, Metal Glaze/thick Film, 0.05W, 2800ohm, 30V, 1% +/-Tol, 200ppm/Cel, Surface Mount, 0201", Case/Package=0201, Manufacturer=Vishay, Max Operating Temperature=155°C, Medical Grade MFR=Mini-Systems, Medical Grade MFR PN=MWA96SM-2801F-NS62TR, Min Operating Temperature=-55°C, Package Height=0.23mm, Package Length=0.6mm, Package Shape=Rectangular, Package Style=SMTMeter, Package Width=0.3mm, Power=50mW, Rated Temperature=70°C, Resistor Type="FIXED RESISTOR", Supplier Part Number=541-CRCW02012K80FNEDCT-ND, Temperature Coefficient=200ppm/°C, Tolerance=1%, Working Voltage=30V, Category="Chip SMD Resistors", ComponentLink1Description=https://datasheet.ciiva.com:443/pdfs/VipMasterIC/IC/VISH/VISH-S-A0002932828/VISH-S-A0002932828-1.pdf?src-supplier=IHS+Markit, ComponentLink1URL=https://datasheet.ciiva.com:443/pdfs/VipMasterIC/IC/VISH/VISH-S-A0002932828/VISH-S-A0002932828-1.pdf?src-supplier=IHS+Markit, ComponentLink2Description=https://datasheet.ciiva.com/5915/1719906-5915662.pdf?src-supplier=Farnell, ComponentLink2URL=https://datasheet.ciiva.com/5915/1719906-5915662.pdf?src-supplier=Farnell, ComponentLink3Description=https://datasheet.ciiva.com/5915/1719906-5915663.pdf?src-supplier=Farnell, ComponentLink3URL=https://datasheet.ciiva.com/5915/1719906-5915663.pdf?src-supplier=Farnell, ComponentLink4Description=https://datasheet.ciiva.com/7690/1719906-7690602.pdf?src-supplier=Element14, ComponentLink4URL=https://datasheet.ciiva.com/7690/1719906-7690602.pdf?src-supplier=Element14, ComponentLink5Description=https://datasheet.ciiva.com/7690/1719906-7690603.pdf?src-supplier=Element14, ComponentLink5URL=https://datasheet.ciiva.com/7690/1719906-7690603.pdf?src-supplier=Element14, ComponentLink6Description=https://datasheet.ciiva.com/22700/1719906-22700665.pdf?src-supplier=Element14, ComponentLink6URL=https://datasheet.ciiva.com/22700/1719906-22700665.pdf?src-supplier=Element14, Construction=Chip, JESD-609 Code=e3, Manufacturer Part Number=CRCW02012K80FNED, Mounting Technology="Surface Mount", Packaging="Tape and Reel", Pins=2, Pricing="1=0,1, 10=0,037, 50=0,0242, 100=0,0204, 500=0,01426, 1000=0,01241, 5000=0,00924 (USD)", Reach SVHC Compliant=Yes, Reference Standard=AEC-Q200, RoHS=Yes, RoHS Compliant=Yes, Stock=8141, Supplier=Digikey, Supplier 1=Digikey, Supplier Part Number 1=541-CRCW02012K80FNEDCT-ND, Technology="METAL GLAZE/THICK FILM", Terminal Finish=Nickel, Termination=Wraparound